# Allegro board TNR_REV00_150306.brd (continued)
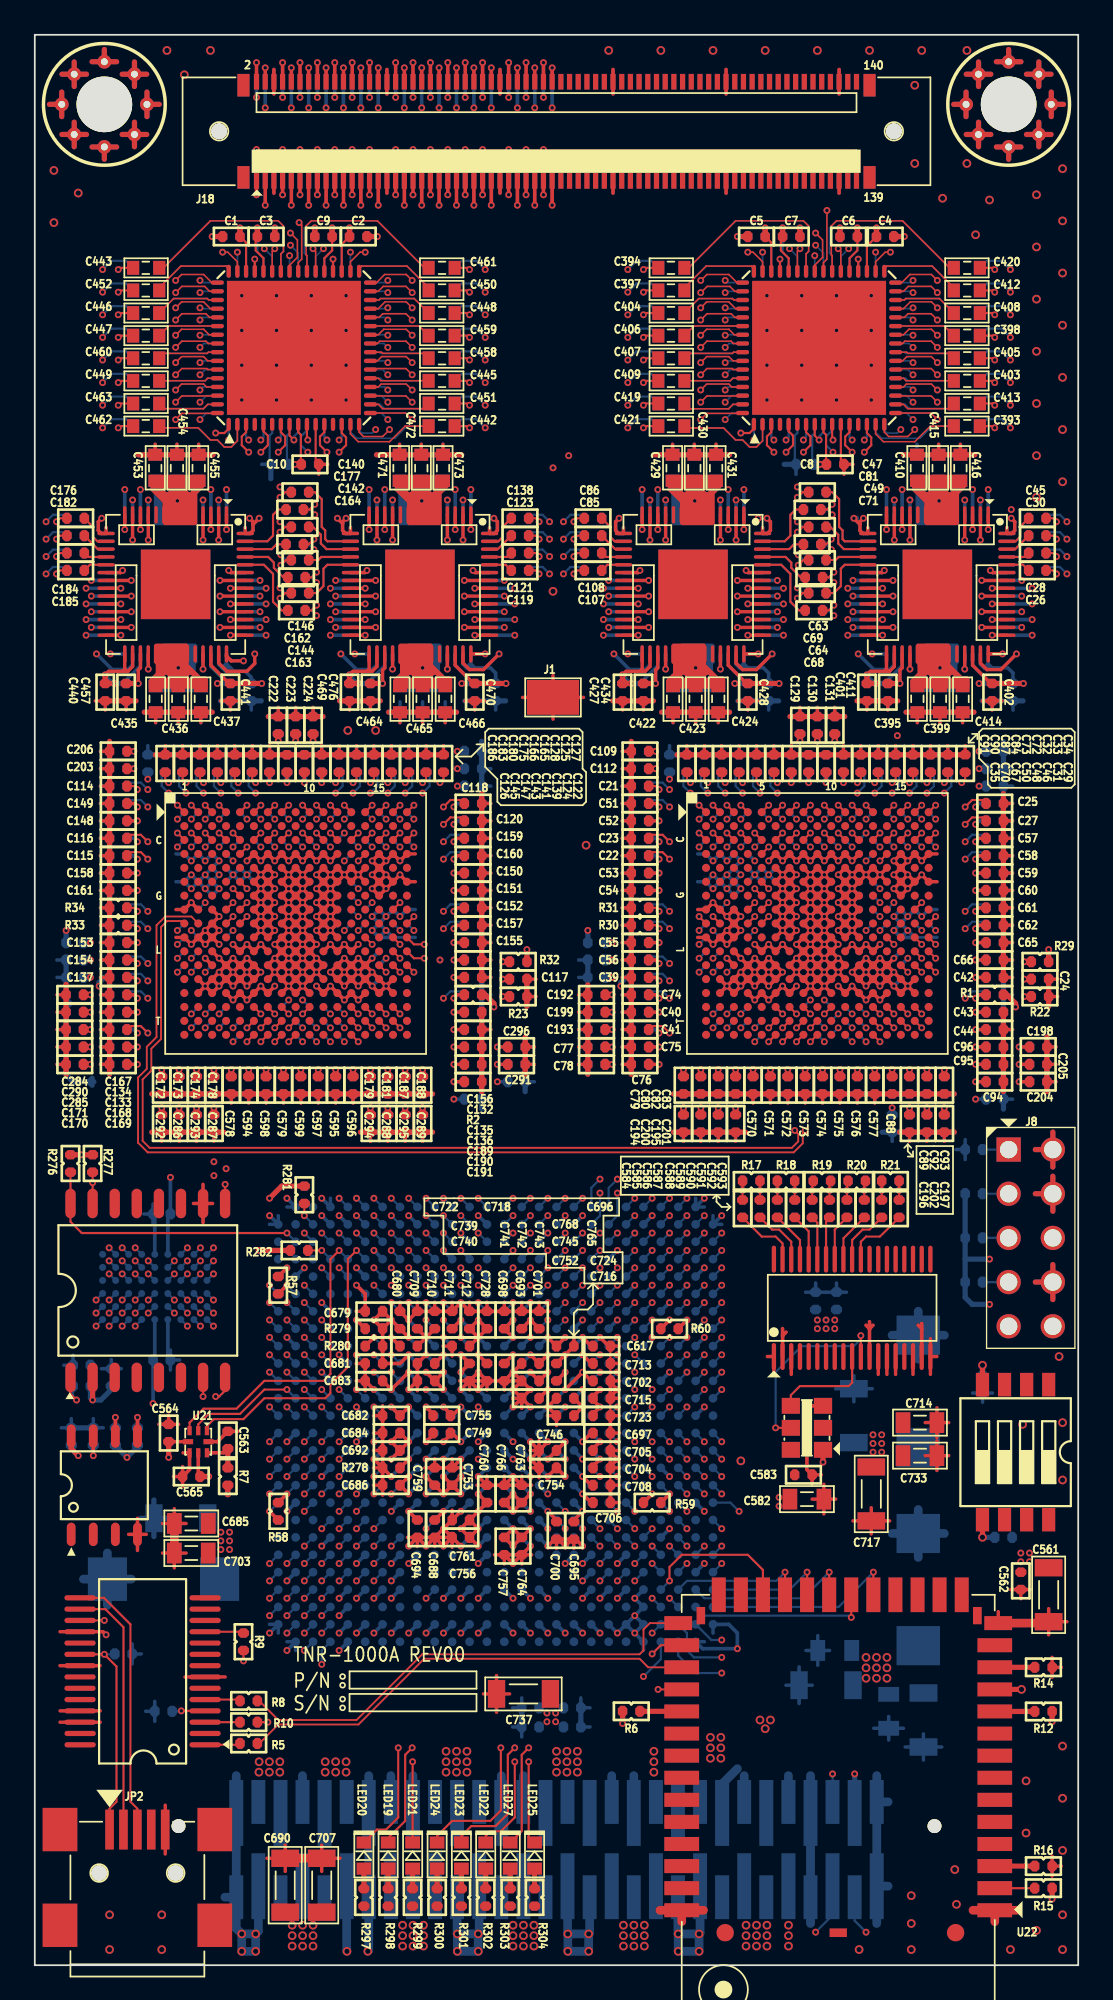
[diagram p0: board, top side]
## Routing (per net, layer and track width the routed paths; a pad name or vN(x,y) marks a point on that pad's centre or on a via; arc(x,y) is an arc through that point) (continued)
INP30: length 21.8
  TOP w0.125: v1(1.25,82) 1.45,82.2 C182.1 ; U8.A3 v1(9.8,66.7)
  3-IN w0.095: v1(9.8,66.7) 9.8,66.92 10.07,67.2 10.07,68.83 6.4,72.5 5,72.5 3.1,74.4 3.1,75.8 3.7,76.4 3.7,79.8 1.5,82 v1(1.25,82)
INP31: length 19.7
  TOP w0.125: C184.1 1.45,81.2 v1(1.25,81) ; U8.A2 v1(9,66.7)
  3-IN w0.095: v1(1.25,81) 1.5,81 2.2,80.3 2.2,74.47 4.77,71.9 6,71.9 9.07,68.83 9.07,66.78 v1(9,66.7)
INP32: length 18.1
  TOP w0.125: U8.A1 v1(8.2,66.7) ; C185.1 1.45,80.2 v1(1.25,80)
  3-IN w0.095: v1(8.2,66.7) 8.07,66.83 8.07,68.83 5.6,71.3 4.52,71.3 1.6,74.22 1.6,79.6 1.25,79.95 v1(1.25,80)
INP33: length 19.8
  3-IN w0.095: v1(8.2,65.9) 7.3,66.8 7.3,69.1 5.4,71 4.4,71 1.3,74.1 1.3,79.35 v1(0.65,80)
  BOTTOM w0.125: U10.A17 v1(8.2,65.9) ; v1(0.65,80) 1.05,80.4 1.65,80.4 C212.1
INP34: length 21.4
  3-IN w0.095: v1(0.65,81) 1.15,80.5 1.4,80.5 1.9,80 1.9,74.35 4.65,71.6 5.8,71.6 8.32,69.08 8.32,67.17 8.6,66.9 8.6,66.3 v1(9,65.9)
  BOTTOM w0.125: v1(0.65,81) 1.05,81.4 1.65,81.4 C214.1 ; U10.A16 v1(9,65.9)
INP35: length 22.9
  3-IN w0.095: v1(9.8,65.9) 9.4,66.3 9.4,67.1 9.32,67.17 9.32,69.08 6.2,72.2 4.9,72.2 2.5,74.6 2.5,80.5 1.5,81.5 1.15,81.5 v1(0.65,82)
  BOTTOM w0.125: v1(0.65,82) 1.05,82.4 1.65,82.4 C216.1 ; U10.A15 v1(9.8,65.9)
INP36: length 24.1
  3-IN w0.095: v1(10.6,65.9) 10.2,66.3 10.2,66.97 10.32,67.1 10.32,69.08 6.6,72.8 5.7,72.8 5.1,73.4 5.1,75.3 4,76.4 4,80 1.5,82.5 1.15,82.5 v1(0.65,83)
  BOTTOM w0.125: U10.A14 v1(10.6,65.9) ; v1(0.65,83) 1.05,83.4 1.65,83.4 C231.1
INP37: length 23.4
  3-IN w0.095: v1(12.2,65.9) U10.A13 11.8,66.9 12.07,67.17 12.07,70.28 13.5,71.7 13.5,75.23 12.2,76.53 12.2,81.9 13.8,83.5 16,83.5 v1(16.1,83.4)
  BOTTOM w0.125: C233.1 15.8,83.7 v1(16.1,83.4) ; U10.A13 v1(12.2,65.9)
INP38: length 21.5
  3-IN w0.095: v1(16.05,81.4) 15.75,81.7 13.8,81.7 12.5,80.4 12.5,76.65 13.8,75.35 13.8,71.5 12.3,70 12.3,67.2 12.6,66.9 U10.A12 v1(13,65.9)
  BOTTOM w0.125: U10.A12 v1(13,65.9) ; C235.1 15.75,81.7 v1(16.05,81.4)
INP39: length 18.4
  3-IN w0.095: v1(16.2,79.5) 16.05,79.65 13.95,79.65 13.7,79.4 13.7,78.2 14.1,77.8 14.1,71.3 13.1,70.3 13.1,67.7 13.4,67.4 U10.A11 v1(13.8,65.9)
  BOTTOM w0.125: U10.A11 v1(13.8,65.9) ; C250.1 15.9,79.8 v1(16.2,79.5)
INP40: length 14.2
  3-IN w0.095: v1(16.2,77.6) 15.9,77.3 15.9,72.1 14.5,70.7 14.5,69 14,68.5 14,67.6 14.2,67.4 U10.A10 v1(14.6,65.9)
  BOTTOM w0.125: C252.1 15.9,77.9 v1(16.2,77.6) ; U10.A10 v1(14.6,65.9)
INP41: length 17.5
  3-IN w0.095: v1(15.4,65.9) 15,66.3 15,68.5 15.5,69 15.5,70.6 16.2,71.3 16.2,76.97 16.6,77.37 16.6,78.4 16.1,78.9 14.4,78.9 v1(14.1,79.2)
  BOTTOM w0.125: U10.A8 v1(15.4,65.9) ; C256.1 14.4,78.9 v1(14.1,79.2)
INP42: length 20.3
  3-IN w0.095: v1(16.2,65.9) 15.8,66.3 15.8,67.2 16,67.4 16,68.5 16.5,69 16.5,75.4 17.7,76.6 17.7,80 16.9,80.8 14.45,80.8 v1(14.15,81.1)
  BOTTOM w0.125: v1(14.15,81.1) 14.45,80.8 C255.1 ; U10.A7 v1(16.2,65.9)
INP43: length 21.9
  3-IN w0.095: v1(17,65.9) 16.6,66.3 16.6,67.4 16.9,67.7 16.9,68.7 16.8,68.8 16.8,75.3 18,76.5 18,80.8 16.1,82.7 14.4,82.7 v1(14.1,83)
  BOTTOM w0.125: C257.1 14.4,82.7 v1(14.1,83) ; U10.A6 v1(17,65.9)
INP44: length 24.2
  3-IN w0.095: v1(14.1,85) 15.7,85 16.6,84.1 16.6,82.7 18.3,81 18.3,76.4 18,76.1 18,75.2 17.1,74.3 17.1,69 17.8,68.3 17.8,67.3 17.4,66.9 17.4,66.3 v1(17.8,65.9)
  BOTTOM w0.125: C268.1 14.4,84.7 v1(14.1,85) ; U10.A5 v1(17.8,65.9)
INP45: length 24.7
  3-IN w0.095: v1(19.4,65.9) 19.8,66.3 19.8,66.92 19.68,67.05 19.68,69.28 23,72.6 24.65,72.6 25.48,73.42 25.48,75.58 26.3,76.4 26.3,80.2 28.6,82.5 29.1,82.5 v1(29.6,83)
  BOTTOM w0.125: v1(29.6,83) 29.2,83.4 28.6,83.4 C269.1 ; U10.A4 v1(19.4,65.9)
INP46: length 23.8
  3-IN w0.095: v1(29.6,82) 29.1,81.5 28.7,81.5 28,80.8 28,74 26,72 23.4,72 20.68,69.28 20.68,67.1 20.6,67.03 20.6,66.3 v1(20.2,65.9)
  BOTTOM w0.125: v1(29.6,82) 29.2,82.4 28.6,82.4 C275.1 ; U10.A3 v1(20.2,65.9)
INP47: length 22.3
  3-IN w0.095: v1(29.6,81) 29.6,80.8 29.3,80.5 28.9,80.5 28.6,80.2 28.6,73.75 26.25,71.4 23.8,71.4 21.68,69.28 21.68,67.17 21.4,66.9 21.4,66.3 v1(21,65.9)
  BOTTOM w0.125: U10.A2 v1(21,65.9) ; C276.1 28.6,81.4 29.2,81.4 v1(29.6,81)
INP48: length 20.7
  3-IN w0.095: v1(29.6,80) 29.2,79.6 29.2,73.5 26.5,70.8 24.2,70.8 22.8,69.4 22.8,66.9 v1(21.8,65.9)
  BOTTOM w0.125: v1(29.6,80) 29.2,80.4 28.6,80.4 C297.1 ; U10.A1 v1(21.8,65.9)
INP49: length 20
  3-IN w0.095: v1(30.4,80) 31.1,79.3 31.1,74.2 34.3,71 35.4,71 37.3,69.1 37.3,66.8 v1(38.2,65.9)
  BOTTOM w0.125: v1(30.4,80) 30.8,80.4 31.4,80.4 C305.1 ; U11.A17 v1(38.2,65.9)
INP50: length 21.7
  3-IN w0.095: v1(30.4,81) 30.9,80.5 31.4,80.5 31.7,80.2 31.7,74.45 34.55,71.6 35.8,71.6 38.33,69.08 38.33,67.17 38.6,66.9 38.6,66.3 v1(39,65.9)
  BOTTOM w0.125: v1(30.4,81) 30.8,81.4 31.4,81.4 C307.1 ; U11.A16 v1(39,65.9)
INP51: length 23.2
  3-IN w0.095: v1(39.8,65.9) 39.4,66.3 39.4,67.1 39.33,67.17 39.33,69.08 36.2,72.2 34.8,72.2 32.3,74.7 32.3,80.7 31.5,81.5 30.9,81.5 v1(30.4,82)
  BOTTOM w0.125: C309.1 31.4,82.4 30.8,82.4 v1(30.4,82) ; U11.A15 v1(39.8,65.9)
INP52: length 24.4
  3-IN w0.095: v1(30.4,83) 30.9,82.5 31.5,82.5 34,80 34,76.2 34.8,75.4 34.8,73.6 35.6,72.8 36.6,72.8 40.33,69.08 40.33,67.1 40.2,66.97 40.2,66.3 v1(40.6,65.9)
  BOTTOM w0.125: v1(30.4,83) 30.8,83.4 31.4,83.4 C324.1 ; U11.A14 v1(40.6,65.9)
INP53: length 23.5
  3-IN w0.095: v1(42.2,65.9) U11.A13 41.8,66.9 42.08,67.17 42.08,70.28 43.5,71.7 43.5,74.98 41.95,76.53 41.95,81.9 43.55,83.5 45.75,83.5 v1(45.85,83.4)
  BOTTOM w0.125: C326.1 45.55,83.7 v1(45.85,83.4) ; U11.A13 v1(42.2,65.9)
INP54: length 21.6
  3-IN w0.095: v1(45.8,81.4) 45.5,81.7 43.55,81.7 42.25,80.4 42.25,76.65 43.8,75.1 43.8,71.5 42.3,70 42.3,67.2 42.6,66.9 U11.A12 v1(43,65.9)
  BOTTOM w0.125: U11.A12 v1(43,65.9) ; C328.1 45.5,81.7 v1(45.8,81.4)
INP55: length 18.5
  3-IN w0.095: v1(43.8,65.9) U11.A11 43.4,67.4 43.1,67.7 43.1,70.3 44.1,71.3 44.1,77.55 43.45,78.2 43.45,79.4 43.7,79.65 45.8,79.65 v1(45.95,79.5)
  BOTTOM w0.125: C344.1 45.65,79.8 v1(45.95,79.5) ; U11.A11 v1(43.8,65.9)
INP56: length 14.1
  3-IN w0.095: v1(44.6,65.9) U11.A10 44.2,67.4 44,67.6 44,68.5 44.5,69 44.5,70.7 45.4,71.6 45.4,77.05 v1(45.95,77.6)
  BOTTOM w0.125: v1(45.95,77.6) 45.65,77.9 C347.1 ; U11.A10 v1(44.6,65.9)
INP57: length 17.4
  3-IN w0.095: v1(43.85,79.2) 44.15,78.9 45.85,78.9 46.35,78.4 46.35,77.25 45.95,76.85 45.95,71.05 45.5,70.6 45.5,69 45,68.5 45,66.3 v1(45.4,65.9)
  BOTTOM w0.125: C346.1 44.15,78.9 v1(43.85,79.2) ; U11.A8 v1(45.4,65.9)
INP58: length 20.6
  3-IN w0.095: v1(43.9,81.1) 44.2,80.8 46.9,80.8 47.7,80 47.7,76.85 46.5,75.65 46.5,69 46,68.5 46,67.4 45.8,67.2 45.8,66.3 v1(46.2,65.9)
  BOTTOM w0.125: v1(43.9,81.1) 44.2,80.8 C348.1 ; U11.A7 v1(46.2,65.9)
INP59: length 22.1
  3-IN w0.095: v1(47,65.9) 46.6,66.3 46.6,67.4 46.9,67.7 46.9,68.7 46.8,68.8 46.8,75.55 48,76.75 48,80.8 46.1,82.7 44.15,82.7 v1(43.85,83)
  BOTTOM w0.125: C351.1 44.15,82.7 v1(43.85,83) ; U11.A6 v1(47,65.9)
INP60: length 24.5
  3-IN w0.095: v1(43.85,85) 45.7,85 46.6,84.1 46.6,82.7 48.3,81 48.3,76.4 47.75,75.85 47.75,74.95 47.1,74.3 47.1,69 47.8,68.3 47.8,67.3 47.4,66.9 47.4,66.3 v1(47.8,65.9)
  BOTTOM w0.125: C353.1 44.15,84.7 v1(43.85,85) ; U11.A5 v1(47.8,65.9)
INP61: length 24.6
  3-IN w0.095: v1(49.4,65.9) 49.8,66.3 49.8,66.92 49.67,67.05 49.67,69.28 53,72.6 54.65,72.6 55.23,73.17 55.23,75.58 56.05,76.4 56.05,80.2 58.35,82.5 58.85,82.5 v1(59.35,83)
  BOTTOM w0.125: U11.A4 v1(49.4,65.9) ; v1(59.35,83) 58.95,83.4 58.35,83.4 C355.1
INP62: length 23.7
  3-IN w0.095: v1(59.35,82) 58.85,81.5 58.45,81.5 57.75,80.8 57.75,73.75 56,72 53.4,72 50.67,69.28 50.67,67.1 50.6,67.03 50.6,66.3 v1(50.2,65.9)
  BOTTOM w0.125: U11.A3 v1(50.2,65.9) ; v1(59.35,82) 58.95,82.4 58.35,82.4 C363.1
INP63: length 22.2
  3-IN w0.095: v1(51,65.9) 51.4,66.3 51.4,66.9 51.67,67.17 51.67,69.28 53.8,71.4 56.25,71.4 58.35,73.5 58.35,80.2 58.65,80.5 59.05,80.5 59.35,80.8 v1(59.35,81)
  BOTTOM w0.125: U11.A2 v1(51,65.9) ; v1(59.35,81) 58.95,81.4 58.35,81.4 C370.1
INP64: length 20.6
  3-IN w0.095: v1(59.35,80) 58.95,79.6 58.95,73.25 56.5,70.8 54.2,70.8 52.8,69.4 52.8,66.9 v1(51.8,65.9)
  BOTTOM w0.125: C389.1 58.35,80.4 58.95,80.4 v1(59.35,80) ; U11.A1 v1(51.8,65.9)
MEM_A0: length 17.4
  8-IN w0.095: v1(22.5,44.1) 22,43.6 22,42.9 21.7,42.6 12.8,42.6 11.7,41.5 11.7,39.67 v1(10.28,38.25)
  BOTTOM w0.125: U25.A3 v1(10.28,38.25) ; U88.A17 v1(22.5,44.1)
MEM_A1: length 14.7
  8-IN w0.095: v1(21.5,44.1) 21,43.6 13.3,43.6 11.34,41.64 11.34,40.81 v1(10.28,39.75)
  BOTTOM w0.125: U88.A18 v1(21.5,44.1) ; U25.A4 v1(10.28,39.75)
MEM_A2: length 14
  8-IN w0.095: v1(10.28,40.5) 11,41.23 11,42.3 13.3,44.6 20,44.6 v1(20.5,44.1)
  BOTTOM w0.125: U25.A5 v1(10.28,40.5) ; U88.A19 v1(20.5,44.1)
MEM_A3: length 21
  4-IN w0.095: v1(10.3,46.2) 17.4,46.2 v1(19.5,44.1)
  9-IN w0.095: v1(10.3,46.2) 11.2,46.2 11.4,46 11.4,40.12 v1(9.53,38.25)
  BOTTOM w0.125: U88.A20 v1(19.5,44.1) ; U25.B3 v1(9.53,38.25)
MEM_A4: length 16.1
  4-IN w0.095: v1(11,45.8) 16.8,45.8 v1(18.5,44.1)
  9-IN w0.095: v1(9.53,39.75) 9.9,40.12 9.9,44.4 11,45.5 v1(11,45.8)
  BOTTOM w0.125: U88.A21 v1(18.5,44.1) ; U25.B4 v1(9.53,39.75)
MEM_A5: length 16.8
  4-IN w0.095: v1(17.5,44.1) 16.2,45.4 v1(10.3,45.4)
  9-IN w0.095: v1(8.78,38.25) 9.15,38.62 9.15,44.25 v1(10.3,45.4)
  BOTTOM w0.125: U25.C3 v1(8.78,38.25) ; U88.A22 v1(17.5,44.1)
MEM_A6: length 22.3
  6-IN w0.095: v1(24.5,43.1) 24.5,42.9 24,42.4 24,41.9 23.7,41.6 23.4,41.6 23,42 23,42.2 22.7,42.5 14.1,42.5 13.9,42.3 9,42.3 7.6,40.9 7.6,40.4 7.88,40.12 8.4,40.12 v1(8.78,39.75)
  BOTTOM w0.125: U88.B15 v1(24.5,43.1) ; U25.C4 v1(8.78,39.75)
MEM_A7: length 19.9
  6-IN w0.095: v1(8.03,39.75) 7.95,39.75 7.4,40.3 7.4,41.3 8.8,42.7 23.1,42.7 v1(23.5,43.1)
  BOTTOM w0.125: U25.D4 v1(8.03,39.75) ; U88.B16 v1(23.5,43.1)
MEM_A8: length 26.8
  11-IN w0.095: v1(4.28,37.5) 3.9,37.88 3.9,38.8 3.6,39.1 3.6,41.6 6,44 11.2,44 11.8,44.6 21.8,44.6 22.1,44.3 22.1,43.5 v1(22.5,43.1)
  BOTTOM w0.125: U88.B17 v1(22.5,43.1) ; U25.H2 v1(4.28,37.5)
MEM_A9: length 25.9
  11-IN w0.095: v1(4.28,38.25) 4.65,37.88 5.97,37.88 6.15,38.05 6.15,38.55 6.5,38.9 11.4,38.9 12.2,39.7 16.5,39.7 17.9,38.3 20,38.3 20.3,38.6 21.7,38.6 21.9,38.8 21.9,41.3 21.6,41.6 21.3,41.6 20.9,42 20.9,42.7 v1(20.5,43.1)
  BOTTOM w0.125: U88.B19 v1(20.5,43.1) ; U25.H3 v1(4.28,38.25)
MEM_A10: length 18.5
  4-IN w0.095: v1(4.28,39.75) 4.65,40.12 5.16,40.12 5.4,40.37 5.4,41.5 6.6,42.7 19.1,42.7 v1(19.5,43.1)
  BOTTOM w0.125: U88.B20 v1(19.5,43.1) ; U25.H4 v1(4.28,39.75)
MEM_A11: length 17.2
  4-IN w0.095: v1(4.28,40.5) 4.65,40.88 4.65,41.45 6.7,43.5 18.1,43.5 v1(18.5,43.1)
  BOTTOM w0.125: U88.B21 v1(18.5,43.1) ; U25.H5 v1(4.28,40.5)
MEM_A12: length 27.3
  6-IN w0.095: v1(24.5,42.1) 24.9,42.5 24.9,43.3 24.5,43.7 12.7,43.7 12.3,43.3 6.5,43.3 4.65,41.45 4.65,38.62 v1(5.03,38.25)
  BOTTOM w0.125: U88.C15 v1(24.5,42.1) ; U25.G3 v1(5.03,38.25)
MEM_A13: length 24.1
  6-IN w0.095: v1(23.5,42.1) 23.5,42.4 24,42.9 24,43.3 23.8,43.5 13.1,43.5 12.6,43 6.9,43 5.4,41.5 5.4,40.12 v1(5.03,39.75)
  BOTTOM w0.125: U25.G4 v1(5.03,39.75) ; U88.C16 v1(23.5,42.1)
MEM_A14: length 26.2
  11-IN w0.095: v1(5.78,38.25) 5.22,38.8 4.6,38.8 3.9,39.5 3.9,41.5 6.1,43.7 21.5,43.7 21.9,43.3 21.9,42.7 v1(22.5,42.1)
  BOTTOM w0.125: U88.C17 v1(22.5,42.1) ; U25.F3 v1(5.78,38.25)
MEM_A15: length 19.9
  11-IN w0.095: v1(5.78,39.75) 6.15,40.12 6.15,40.75 8.5,43.1 12.6,43.1 13,43.5 20.8,43.5 21.1,43.2 21.1,42.5 v1(21.5,42.1)
  BOTTOM w0.125: U25.F4 v1(5.78,39.75) ; U88.C18 v1(21.5,42.1)
MEM_A16: length 17
  11-IN w0.095: v1(6.53,39.75) 6.9,40.12 6.9,40.7 8.9,42.7 19.9,42.7 v1(20.5,42.1)
  BOTTOM w0.125: U25.E4 v1(6.53,39.75) ; U88.C19 v1(20.5,42.1)
MEM_A17: length 14.3
  4-IN w0.095: v1(8.03,38.25) 8.47,38.7 11.6,38.7 14.4,41.5 18.9,41.5 v1(19.5,42.1)
  BOTTOM w0.125: U25.D3 v1(8.03,38.25) ; U88.C20 v1(19.5,42.1)
MEM_A18: length 18.2
  4-IN w0.095: v1(18.5,42.1) 18.1,41.7 14.1,41.7 11.5,39.1 7.9,39.1 7.2,38.4 7.2,37.5 6.83,37.12 U25.H1 v1(4.28,36.75)
  BOTTOM w0.125: U25.H1 v1(4.28,36.75) ; U88.C21 v1(18.5,42.1)
MEM_A19: length 17
  4-IN w0.095: v1(5.03,37.5) U25.G2 5.4,38.6 5.9,39.1 6.7,39.1 7.1,39.5 7.1,40.6 8.7,42.2 13.4,42.2 13.7,42.5 17.1,42.5 v1(17.5,42.1)
  BOTTOM w0.125: U25.G2 v1(5.03,37.5) ; U88.C22 v1(17.5,42.1)
MEM_A20: length 27.1
  6-IN w0.095: v1(4.28,41.25) 4.28,41.58 6.3,43.6 12,43.6 12.9,44.5 24.8,44.5 25.1,44.2 25.1,41.7 v1(24.5,41.1)
  BOTTOM w0.125: U88.D15 v1(24.5,41.1) ; U25.H6 v1(4.28,41.25)
MEM_A21: length 21.5
  11-IN w0.095: v1(6.53,38.25) 6.97,38.7 11.6,38.7 12.4,39.5 16.2,39.5 18.1,37.6 21.6,37.6 22.1,38.1 22.1,40.7 v1(22.5,41.1)
  BOTTOM w0.125: U25.E3 v1(6.53,38.25) ; U88.D17 v1(22.5,41.1)
MEM_ADV#: length 29.5
  6-IN w0.095: v1(3.52,38.25) 3,37.73 3,36.4 4.8,34.6 24.6,34.6 25,35 25,37.6 v1(25.5,38.1)
  BOTTOM w0.125: U25.J3 v1(3.52,38.25) ; U88.G14 v1(25.5,38.1)
MEM_CE#: length 13.6
  11-IN w0.095: v1(19.5,39.1) 19,39.6 19,41.2 18.7,41.5 11.62,41.5 11,40.88 10,40.88 9.62,40.5 v1(9.53,40.5)
  BOTTOM w0.125: U88.F20 v1(19.5,39.1) ; U25.B5 v1(9.53,40.5)
MEM_CLK: length 31.8
  6-IN w0.095: v1(25.5,42.1) 25.6,42.1 25.9,42.4 25.9,44.4 25.6,44.7 12.6,44.7 11.8,43.9 6.1,43.9 3.5,41.3 3.5,39.1 3.9,38.7 U25.J2 v1(3.52,37.5)
  BOTTOM w0.125: U25.J2 v1(3.52,37.5) ; U88.C14 v1(25.5,42.1)
MEM_CRE: length 31.4
  12-IN w0.095: v1(10.28,41.25) 11.4,40.12 11.4,33.6 13.3,31.7 15,31.7 16.1,30.6 16.1,29.9 16.3,29.7 22.7,29.7 23,30 23,37.6 v1(23.5,38.1)
  BOTTOM w0.125: U88.G16 v1(23.5,38.1) ; U25.A6 v1(10.28,41.25)
MEM_DQ0: length 14.1
  11-IN w0.095: v1(9.53,41.25) 9.97,41.7 19.5,41.7 20,41.2 20,41 20.3,40.7 21.1,40.7 v1(21.5,41.1)
  BOTTOM w0.125: U25.B6 v1(9.53,41.25) ; U88.D18 v1(21.5,41.1)
MEM_DQ1: length 15.1
  11-IN w0.095: v1(8.78,40.5) 9.15,40.88 9.15,41.55 9.9,42.3 13.8,42.3 14,42.5 19.7,42.5 20,42.2 20,41.6 v1(20.5,41.1)
  BOTTOM w0.125: U88.D19 v1(20.5,41.1) ; U25.C5 v1(8.78,40.5)
MEM_DQ2: length 18.8
  6-IN w0.095: v1(25.5,40.1) 24.9,40.7 16.2,40.7 15.2,41.7 9.22,41.7 v1(8.78,41.25)
  BOTTOM w0.125: U25.C6 v1(8.78,41.25) ; U88.E14 v1(25.5,40.1)
MEM_DQ3: length 18.2
  6-IN w0.095: v1(24.5,40.1) 24.1,40.5 11.7,40.5 11.32,40.88 8.4,40.88 v1(8.03,40.5)
  BOTTOM w0.125: U88.E15 v1(24.5,40.1) ; U25.D5 v1(8.03,40.5)
MEM_DQ4: length 19.3
  6-IN w0.095: v1(23.5,40.1) 23.1,39.7 22,39.7 21.8,39.5 11.6,39.5 11.2,39.1 7.7,39.1 7,39.8 7,40.02 v1(6.53,40.5)
  BOTTOM w0.125: U88.E16 v1(23.5,40.1) ; U25.E5 v1(6.53,40.5)
MEM_DQ5: length 19.4
  6-IN w0.095: v1(22.5,40.1) 22.1,40.1 21.7,39.7 11.52,39.7 11.12,39.3 7.78,39.3 7.2,39.88 7.2,40.4 6.73,40.87 6.15,40.87 v1(5.78,40.5)
  BOTTOM w0.125: U25.F5 v1(5.78,40.5) ; U88.E17 v1(22.5,40.1)
MEM_DQ6: length 23
  11-IN w0.095: v1(21.5,40.1) 21.1,40.5 20.3,40.5 19.9,40.1 19.9,38.9 19.7,38.7 18.3,38.7 18,39 18,40.2 17.5,40.7 12.52,40.7 11.12,39.3 5.67,39.3 5.4,39.58 5.4,40.88 v1(5.78,41.25)
  BOTTOM w0.125: U25.F6 v1(5.78,41.25) ; U88.E18 v1(21.5,40.1)
MEM_DQ7: length 22.1
  11-IN w0.095: v1(5.03,41.25) 4.65,40.88 4.65,39.58 5.12,39.1 11.2,39.1 12.6,40.5 16.7,40.5 17,40.2 17,39.6 18.1,38.5 19.8,38.5 20.1,38.8 20.1,39.7 v1(20.5,40.1)
  BOTTOM w0.125: U88.E19 v1(20.5,40.1) ; U25.G6 v1(5.03,41.25)
MEM_DQ8: length 13
  4-IN w0.095: v1(9.53,36.75) 9.9,37.12 10.62,37.12 14.1,40.6 19,40.6 v1(19.5,40.1)
  BOTTOM w0.125: U88.E20 v1(19.5,40.1) ; U25.B1 v1(9.53,36.75)
MEM_DQ9: length 36.7
  12-IN w0.095: v1(27.5,39.1) 26.3,37.9 26.3,28.3 25.6,27.6 14.3,27.6 14,27.9 14,30.4 13.8,30.6 13.1,30.6 8.78,34.92 v1(8.78,36.75)
  BOTTOM w0.125: U25.C1 v1(8.78,36.75) ; U88.F13 v1(27.5,39.1)
MEM_DQ10: length 34
  12-IN w0.095: v1(8.78,37.5) 9.15,37.12 9.15,34.85 13.1,30.9 14.4,30.9 14.9,30.4 14.9,28.8 15.2,28.5 24.5,28.5 25,29 25,38.6 v1(25.5,39.1)
  BOTTOM w0.125: U88.F14 v1(25.5,39.1) ; U25.C2 v1(8.78,37.5)
MEM_DQ11: length 20.3
  6-IN w0.095: v1(8.03,37.5) 8.4,37.12 12.78,37.12 13.2,36.7 20.8,36.7 21,36.9 21,37.3 21.3,37.6 21.6,37.6 22,38 22,39.2 22.2,39.4 22.2,39.41 22.3,39.5 24.1,39.5 v1(24.5,39.1)
  BOTTOM w0.125: U88.F15 v1(24.5,39.1) ; U25.D2 v1(8.03,37.5)
MEM_DQ12: length 36.5
  12-IN w0.095: v1(23.5,39.1) 24.1,38.5 24.1,29.1 23.7,28.7 15.3,28.7 15.1,28.9 15.1,30.6 14.5,31.2 13.2,31.2 10.8,33.6 10.8,37.58 10.5,37.88 U25.E2 v1(6.53,37.5)
  BOTTOM w0.125: U25.E2 v1(6.53,37.5) ; U88.F16 v1(23.5,39.1)
MEM_DQ13: length 23.3
  6-IN w0.095: v1(5.78,37.5) 5.4,37.12 5.4,36.5 5.6,36.3 12.6,36.3 13.2,35.7 21.7,35.7 22.1,36.1 22.1,37.3 22.4,37.6 22.7,37.6 23,37.9 U88.F17 v1(22.5,39.1)
  BOTTOM w0.125: U25.F2 v1(5.78,37.5) ; U88.F17 v1(22.5,39.1)
MEM_DQ14: length 18.4
  6-IN w0.095: v1(21.5,39.1) 20.9,38.5 11.1,38.5 10.9,38.7 7.88,38.7 7.2,38.02 7.2,37.6 6.35,36.75 v1(5.78,36.75)
  BOTTOM w0.125: U88.F18 v1(21.5,39.1) ; U25.F1 v1(5.78,36.75)
MEM_DQ15: length 18.9
  6-IN w0.095: v1(20.5,39.1) 20.1,38.7 11.3,38.7 11.1,38.9 7.7,38.9 6.67,37.88 4.88,37.88 4.65,37.65 4.65,37.12 v1(5.03,36.75)
  BOTTOM w0.125: U88.F19 v1(20.5,39.1) ; U25.G1 v1(5.03,36.75)
MEM_LB#: length 14.6
  6-IN w0.095: v1(10.28,36.75) 10.53,36.5 21.5,36.5 21.9,36.9 21.9,37.4 22.5,38 v1(22.5,38.1)
  BOTTOM w0.125: U88.G17 v1(22.5,38.1) ; U25.A1 v1(10.28,36.75)
MEM_OE#: length 12.7
  6-IN w0.095: v1(21.5,38.1) 21.2,38.1 20.59,37.49 10.29,37.49 v1(10.28,37.5)
  BOTTOM w0.125: U25.A2 v1(10.28,37.5) ; U88.G18 v1(21.5,38.1)
MEM_UB#: length 12.6
  6-IN w0.095: v1(9.53,37.5) 9.9,37.88 12.8,37.88 12.99,37.69 20.09,37.69 v1(20.5,38.1)
  BOTTOM w0.125: U88.G19 v1(20.5,38.1) ; U25.B2 v1(9.53,37.5)
MEM_WAIT: length 22.7
  6-IN w0.095: v1(22.5,37.1) U88.H17 23,36 22.5,35.5 4.78,35.5 v1(3.52,36.75)
  BOTTOM w0.125: U25.J1 v1(3.52,36.75) ; U88.H17 v1(22.5,37.1)
MEM_WE#: length 35.7
  12-IN w0.095: v1(5.03,40.5) U25.G5 5.4,39.5 5.7,39.2 10.1,39.2 11.1,38.2 11.1,33.58 13.28,31.4 14.9,31.4 15.9,30.4 15.9,29.7 16.1,29.5 23.5,29.5 23.9,29.9 23.9,36.7 v1(23.5,37.1)
  BOTTOM w0.125: U25.G5 v1(5.03,40.5) ; U88.H16 v1(23.5,37.1)
MUX1: length 5.6
  TOP w0.095: C393.2 51.5,88.5 50.6,87.6 48.8,87.6 48.35,88.05 U1.15
MUX2: length 3.6
  TOP w0.095: C413.2 52.55,89.5 50.2,89.5 49.95,89.75 U1.18
MUX3: length 3.4
  TOP w0.095: C403.2 52.84,91.11 50.1,91.11 49.96,91.25 U1.21
MUX4: length 3.5
  TOP w0.095: U1.24 50.13,92.75 50.2,92.68 52.57,92.68 C405.2
MUX5: length 3.6
  TOP w0.095: U1.27 49.51,94.26 52.29,94.26 C398.2
MUX6: length 3.7
  TOP w0.095: C408.2 52.02,95.83 50.08,95.83 50,95.75 U1.30
MUX7: length 4.9
  TOP w0.095: C412.2 52.85,96.45 51.6,97.7 49,97.7 48.85,97.55 U1.33
MUX8: length 10.9
  TOP w0.095: U1.39 45.85,98.3 45.8,98.35 45.8,100 46.1,100.3 49.9,100.3 52.6,97.6 C420.2
MUX9: length 11.1
  TOP w0.095: C394.2 37.6,97.6 40.3,100.3 44.2,100.3 44.5,100 44.5,98.55 44.35,98.4 U1.42
MUX10: length 4.9
  TOP w0.095: 37.35,96.29 C397.2 37.35,96.44 38.61,97.7 41.2,97.7 41.35,97.55 U1.48
MUX11: length 3.7
  TOP w0.095: C404.2 38.18,95.83 40.12,95.83 40.2,95.75 U1.51
MUX12: length 3.6
  TOP w0.095: U1.54 40.69,94.26 37.91,94.26 C406.2
MUX13: length 3.5
  TOP w0.095: C407.2 37.63,92.68 40.12,92.68 40.19,92.75 U1.57
MUX14: length 3.4
  TOP w0.095: U1.60 40.14,91.25 40,91.11 37.36,91.11 C409.2
MUX15: length 3.6
  TOP w0.095: C419.2 37.66,89.49 39.89,89.49 40.15,89.75 U1.63
MUX16: length 6.1
  TOP w0.095: U1.2 41.85,87.65 41.5,87.3 41.1,87.3 40.7,87.7 40.3,87.7 39.61,88.39 37.46,88.39 C421.2
MUX17: length 5.6
  TOP w0.095: C442.2 21.3,88.5 20.4,87.6 18.6,87.6 18.15,88.05 U2.15
MUX18: length 3.6
  TOP w0.095: U2.18 19.75,89.75 20,89.5 22.35,89.5 C451.2
MUX19: length 3.4
  TOP w0.095: C445.2 22.64,91.11 19.9,91.11 19.76,91.25 U2.21
MUX20: length 3.5
  TOP w0.095: U2.24 19.93,92.75 20,92.68 22.37,92.68 C458.2
MUX21: length 3.6
  TOP w0.095: C459.2 22.09,94.26 19.31,94.26 U2.27
MUX22: length 3.7
  TOP w0.095: U2.30 19.8,95.75 19.88,95.83 21.82,95.83 C448.2
MUX23: length 4.9
  TOP w0.095: C450.2 22.65,96.45 21.4,97.7 18.8,97.7 18.65,97.55 U2.33
MUX24: length 10.9
  TOP w0.095: U2.39 15.65,98.3 15.6,98.35 15.6,100 15.9,100.3 19.7,100.3 22.4,97.6 C461.2
MUX25: length 11.1
  TOP w0.095: U2.42 14.15,98.4 14.3,98.55 14.3,100 14,100.3 10.1,100.3 7.4,97.6 C443.2
MUX26: length 4.9
  TOP w0.095: U2.48 11.15,97.55 11,97.7 8.4,97.7 7.15,96.45 C452.2
MUX27: length 3.7
  TOP w0.095: C446.2 7.98,95.83 9.92,95.83 10,95.75 U2.51
MUX28: length 3.6
  TOP w0.095: U2.54 10.49,94.26 7.71,94.26 C447.2
MUX29: length 3.5
  TOP w0.095: C460.2 7.43,92.68 9.92,92.68 9.98,92.75 U2.57
MUX30: length 3.4
  TOP w0.095: C449.2 7.16,91.11 9.8,91.11 9.94,91.25 U2.60
MUX31: length 3.6
  TOP w0.095: C463.2 7.45,89.5 9.7,89.5 9.95,89.75 U2.63
MUX32: length 6.1
  TOP w0.095: C462.2 7.25,88.4 9.4,88.4 10.1,87.7 10.5,87.7 10.9,87.3 11.3,87.3 11.65,87.65 U2.2
MUX33: length 6.1
  BOTTOM w0.095: U3.15 11.65,87.65 11.3,87.3 10.9,87.3 10.5,87.7 10.1,87.7 9.4,88.4 7.25,88.4 C477.2
MUX34: length 3.6
  BOTTOM w0.095: U3.18 9.95,89.75 9.7,89.5 7.45,89.5 C500.2
MUX35: length 3.4
  BOTTOM w0.095: C482.2 7.16,91.11 9.78,91.11 9.93,91.25 U3.21
MUX36: length 3.5
  BOTTOM w0.095: C497.2 7.43,92.68 9.92,92.68 9.98,92.75 U3.24
MUX37: length 3.6
  BOTTOM w0.095: C484.2 7.71,94.26 9.92,94.26 9.93,94.25 U3.27
MUX38: length 3.7
  BOTTOM w0.095: U3.30 10,95.75 9.92,95.83 7.98,95.83 C486.2
MUX39: length 4.9
  BOTTOM w0.095: C499.2 7.15,96.45 8.4,97.7 11,97.7 11.15,97.55 U3.33
MUX40: length 11.1
  BOTTOM w0.095: C504.2 7.4,97.6 10.1,100.3 14,100.3 14.3,100 14.3,98.55 14.15,98.4 U3.39
MUX41: length 11
  BOTTOM w0.095: C478.2 22.4,97.6 19.7,100.3 15.9,100.3 15.5,99.9 15.5,98.45 15.65,98.3 U3.42
MUX42: length 4.9
  BOTTOM w0.095: C501.2 22.65,96.45 21.4,97.7 18.8,97.7 18.65,97.55 U3.48
MUX43: length 3.7
  BOTTOM w0.095: C496.2 21.82,95.83 19.88,95.83 19.8,95.75 U3.51
MUX44: length 3.6
  BOTTOM w0.095: U3.54 19.88,94.25 19.88,94.26 22.09,94.26 C483.2
MUX45: length 3.5
  BOTTOM w0.095: U3.57 19.82,92.75 19.88,92.68 22.37,92.68 C485.2
MUX46: length 3.4
  BOTTOM w0.095: U3.60 19.88,91.25 20.02,91.11 22.64,91.11 C502.2
MUX47: length 3.6
  BOTTOM w0.095: C491.2 22.35,89.5 20.1,89.5 19.85,89.75 U3.63
MUX48: length 5.4
  BOTTOM w0.095: U3.2 18.15,88.15 18.5,87.8 20.7,87.8 21.4,88.5 C505.2
MUX49: length 6.1
  BOTTOM w0.095: U4.15 41.85,87.65 41.5,87.3 41.1,87.3 40.7,87.7 40.3,87.7 39.61,88.39 37.46,88.39 C526.2
MUX50: length 3.6
  BOTTOM w0.095: U4.18 40.15,89.75 39.89,89.49 37.66,89.49 C541.2
MUX51: length 3.4
  BOTTOM w0.095: U4.21 40.12,91.25 39.98,91.1 C537.2
MUX52: length 3.5
  BOTTOM w0.095: C531.2 37.62,92.67 40.11,92.67 40.19,92.75 U4.24
MUX53: length 3.6
  BOTTOM w0.095: U4.27 37.9,94.25 C532.2
MUX54: length 3.7
  BOTTOM w0.095: U4.30 40.2,95.75 40.12,95.83 38.17,95.83 C539.2
MUX55: length 4.9
  BOTTOM w0.095: U4.33 41.35,97.55 41.2,97.7 38.61,97.7 37.35,96.44 C534.2
MUX56: length 11.1
  BOTTOM w0.095: C546.2 37.6,97.6 40.3,100.3 44.2,100.3 44.5,100 44.5,98.55 44.35,98.4 U4.39
MUX57: length 11
  BOTTOM w0.095: U4.42 45.85,98.3 45.7,98.45 45.7,99.9 46.1,100.3 49.9,100.3 52.6,97.6 C527.2
MUX58: length 4.9
  BOTTOM w0.095: U4.48 48.85,97.55 49,97.7 51.6,97.7 52.85,96.45 C542.2
MUX59: length 3.7
  BOTTOM w0.095: U4.51 50,95.75 50.08,95.83 52.02,95.83 C535.2
MUX60: length 3.6
  BOTTOM w0.095: C544.2 52.29,94.26 50.08,94.26 50.08,94.25 U4.54
MUX61: length 3.5
  BOTTOM w0.095: C533.2 52.57,92.68 50.08,92.68 50.02,92.75 U4.57
MUX62: length 3.4
  BOTTOM w0.095: C545.2 52.84,91.11 50.22,91.11 50.08,91.25 U4.60
MUX63: length 3.6
  BOTTOM w0.095: C540.2 52.55,89.5 50.3,89.5 50.05,89.75 U4.63
MUX64: length 5.4
  BOTTOM w0.095: C547.2 51.6,88.5 50.9,87.8 48.7,87.8 48.35,88.15 U4.2
MUX_CLK: length 89.9
  TOP w0.125: v1(45.1,87.7) 44.85,87.95 U1.8 ; U2.8 14.65,87.95 v1(14.9,87.7)
  6-IN w0.095: 29,87.4 28.9,87.5 19,87.5 18.2,88.3 15.5,88.3 v1(14.9,87.7) ; 29,87.4 29,85.12 23.9,80.02 23.9,75.18 25.3,73.78 25.3,47.48 26.3,46.48 26.3,40.6 27.3,39.6 27.7,39.6 27.9,39.4 27.9,38.5 v1(27.5,38.1) ; 29,87.4 29.1,87.5 39.3,87.5 40.4,88.6 44.2,88.6 v1(45.1,87.7)
  BOTTOM w0.125: U4.8 45.35,88.15 45.1,87.9 v1(45.1,87.7) ; v1(14.9,87.7) 14.9,87.9 15.15,88.15 U3.8 ; U88.G13 v1(27.5,38.1)
MUX_CLR: length 102.2
  TOP w0.125: v1(43.2,87) 43.6,87.4 43.6,87.95 43.35,88.2 U1.5 ; U2.5 13.15,88.2 13.4,87.95 13.4,87.4 v1(13,87)
  6-IN w0.095: v1(32.5,37.1) U88.H8 30.4,36.6 30,37 30,40.2 29.6,40.6 28.3,40.6 28,40.9 28,41.3 27.7,41.6 27.38,41.6 27,41.98 27,46.7 25.9,47.8 25.9,74.3 25.4,74.8 25.4,75.9 26.3,76.8 26.3,80.9 30.7,85.3 v1(30.7,86.8)
  8-IN w0.095: v1(47,87.7) 46.5,88.2 44,88.2 43.7,87.9 43.7,87.5 v1(43.2,87) 42.7,86.5 31,86.5 v1(30.7,86.8) 30.4,86.5 16.6,86.5 16.3,86.8 16.3,87.2 v1(16.8,87.7) 16.3,88.2 13.8,88.2 13.5,87.9 13.5,87.5 v1(13,87)
  BOTTOM w0.125: v1(16.8,87.7) 16.65,87.85 U3.5 ; v1(47,87.7) 46.85,87.85 U4.5 ; U88.H8 v1(32.5,37.1)
MUX_DIN1: length 62.8
  TOP w0.125: v1(45.9,87.7) 45.85,87.75 U1.10
  6-IN w0.095: v1(45.9,87.7) 44.7,86.5 44.7,74.5 42.9,72.7 36,72.7 32.4,69.1 32.4,59 32,58.6 32,43 31.6,42.6 31.4,42.6 31,42.2 31,37.6 v1(30.5,37.1)
  BOTTOM w0.125: U88.H10 v1(30.5,37.1)
MUX_DIN2: length 35.7
  TOP w0.125: v1(15.7,87.7) 15.65,87.75 U2.10 ; U1.12 46.85,88.15 46.6,87.9 46.6,87.4 v1(47,87)
  11-IN w0.095: v1(47,87) 45.7,85.7 17.3,85.7 16.2,86.8 16.2,87.2 v1(15.7,87.7)